# KiCad board squishy-main.kicad_pcb (continued)
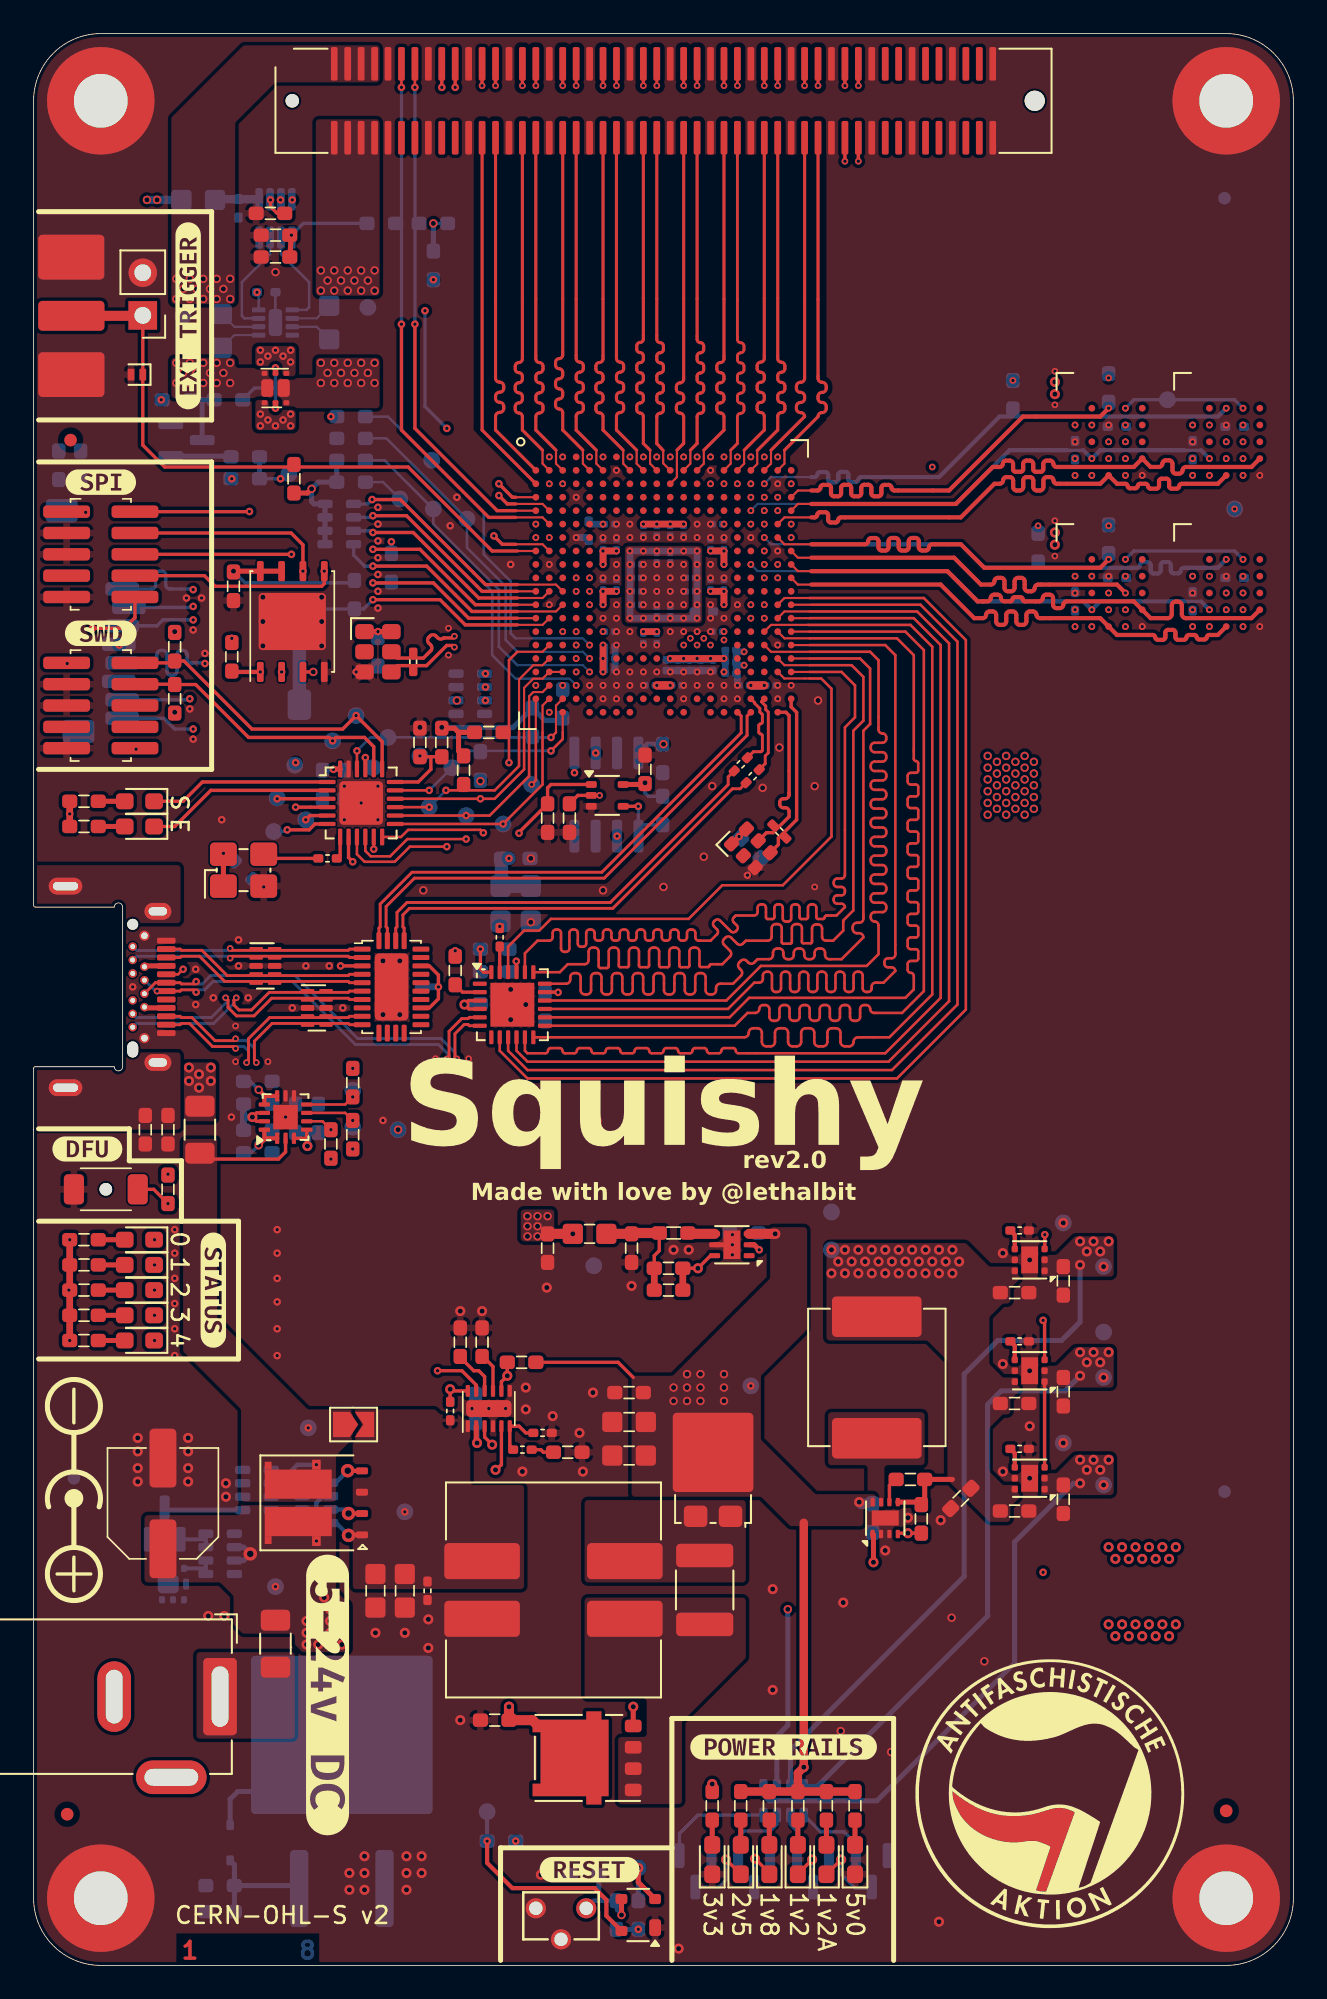
[diagram p0: board, top side]
## Library data of the parts (continued)
C38 = -: Datasheet: https://search.murata.co.jp/Ceramy/image/img/A01X/G101/ENG/GCM155R71H821KA37-01A.pdf; MFR: Murata Electronics; MPN: GCM155R71H821KA37D; Tolerance: ±10% 50V; SUPPLIER: DigiKey; SUPPLIER_OC: 490-GCM155R71H821KA37DDKR-ND; SUPPLIER_URL: https://www.digikey.com/short/95h5bp4f; 1b2-key: cap-cer-0402-820p-50v; ki_fp_filters: C_*
C49 C91 = -: Datasheet: https://www.yageo.com/upload/media/product/app/datasheet/mlcc/upy-gphc_x7r_6_3v-to-250v.pdf; MFR: YAGEO; MPN: CC0603KRX7R9BB301; Tolerance: ±10% 50V; SUPPLIER: DigiKey; SUPPLIER_OC: 13-CC0603KRX7R9BB301DKR-ND; SUPPLIER_URL: https://www.digikey.com/short/09vfhq3b; 1b2-key: cap-cer-0603-300p-50v; ki_fp_filters: C_*
C50 C52-C54 C57 C60 C65 C66 C72-C74 C79 C81 C83 C100 C102 C106 = -: Datasheet: https://search.murata.co.jp/Ceramy/image/img/A01X/G101/ENG/GRM033Z71C104ME14-01.pdf; MFR: Murata Electronics; MPN: GRM033Z71C104ME14D; Tolerance: ±10% 16V; SUPPLIER: DigiKey; SUPPLIER_OC: 490-GRM033Z71C104ME14DDKR-ND; SUPPLIER_URL: https://www.digikey.com/short/drfvd79q; 1b2-key: cap-cer-0201-100n-16v; ki_fp_filters: C_*
C51 C55 C58 C61 C67-C70 C82 C84 C108 C111 = -: Datasheet: https://www.yageo.com/upload/media/product/productsearch/datasheet/mlcc/UPY-AC_NP0X7RX7S_6.3V-to-2KV_19.pdf; MFR: Yageo; MPN: AC0201KRX7R8BB103; Tolerance: ±10% 25V; SUPPLIER: DigiKey; SUPPLIER_OC: 13-AC0201KRX7R8BB103DKR-ND; SUPPLIER_URL: https://www.digikey.com/short/4b93tdmb; 1b2-key: cap-cer-0201-10n-25v; ki_fp_filters: C_*
C56 C59 C62 C85 C109 C112 = -: Datasheet: https://www.murata.com/-/media/webrenewal/support/library/catalog/products/k35e.ashx?la=en-us&cvid=20200508021757000000; MFR: Murata Electronics; MPN: GCM033R71E102KA03D; Tolerance: ±10% 25V; SUPPLIER: DigiKey; SUPPLIER_OC: 490-7995-6-ND; SUPPLIER_URL: https://www.digikey.com/short/jj38r9nt; 1b2-key: cap-cer-0201-1n-25v; ki_fp_filters: C_*
C63 C75-C78 C103-C105 = -: Datasheet: https://search.murata.co.jp/Ceramy/image/img/A01X/G101/ENG/GRM033R61C105ME15-01A.pdf; MFR: Murata Electronics; MPN: GRM033R61C105ME15D; Tolerance: ±20% 16V; SUPPLIER: DigiKey; SUPPLIER_OC: 490-18654-6-ND; SUPPLIER_URL: https://www.digikey.com/short/8nqwhfth; 1b2-key: cap-cer-0201-1u-16v; ki_fp_filters: C_*
C64 C71 = -: Datasheet: https://search.murata.co.jp/Ceramy/image/img/A01X/G101/ENG/GRM155R61A475MEAA-01A.pdf; MFR: Murata Electronics; MPN: GRM155R61A475MEAAJ; Tolerance: ±20% 10V; SUPPLIER: DigiKey; SUPPLIER_OC: 490-GRM155R61A475MEAAJDKR-ND; SUPPLIER_URL: https://www.digikey.com/short/55djtqz8; 1b2-key: cap-cer-0402-4u7-10v; ki_fp_filters: C_*
C90 = -: Datasheet: https://content.kemet.com/datasheets/KEM_C1002_X7R_SMD.pdf; MFR: KEMET; MPN: C0603C220J5RAC7867; Tolerance: ±5% 50V; SUPPLIER: DigiKey; SUPPLIER_OC: 399-17583-6-ND; SUPPLIER_URL: https://www.digikey.com/short/05tw8nzb; 1b2-key: cap-cer-0603-22p-50v; ki_fp_filters: C_*
C94 = -: Datasheet: https://connect.kemet.com:7667/gateway/IntelliData-ComponentDocumentation/1.0/download/datasheet/A768EB476M1VLAS042; Description: Polarized capacitor, small symbol; MFR: KEMET; MPN: A768EB476M1VLAS042; Tolerance: ±20% 35V  125°C; SUPPLIER: DigiKey; SUPPLIER_OC: 399-A768EB476M1VLAS042DKR-ND; SUPPLIER_URL: https://www.digikey.com/short/jcnvh285; 1b2-key: cap-elc-eb-47u-35v; ki_fp_filters: CP_*
C101 = -: Datasheet: https://search.murata.co.jp/Ceramy/image/img/A01X/G101/ENG/GRM188R61A226ME15-01.pdf; MFR: Murata Electronics; MPN: GRM188R61A226ME15D; Tolerance: ±20% 10V; SUPPLIER: DigiKey; SUPPLIER_OC: 490-10476-6-ND; SUPPLIER_URL: https://www.digikey.com/short/tvmht5nm; 1b2-key: cap-cer-0603-22u-10v; ki_fp_filters: C_*
D1 = -: Datasheet: https://www.vishay.com/docs/89043/ss10p6.pdf; MFR: Vishay General Semiconductor - Diodes Division; SUPPLIER: DigiKey; SUPPLIER_OC: SS10P6-M3/86AGICT-ND; SUPPLIER_URL: https://www.digikey.com/short/4450q99v; 1b2-key: dio-schottky-to277a-2-ss10p6-m3/86a; ki_fp_filters: TO-???* *_Diode_* *SingleDiode* D_*
D2 D6 = -: Datasheet: https://www.we-online.com/components/products/datasheet/150060BS75000.pdf; MFR: Wurth Electronics; MPN: 150060BS75000; SUPPLIER: DigiKey; SUPPLIER_OC: 732-4966-6-ND; SUPPLIER_URL: https://www.digikey.com/short/ddpjpwr7; 1b2-key: led-0603-blu; ki_fp_filters: LED* LED_SMD:* LED_THT:*
D3 D5 = -: Datasheet: https://www.tme.eu/Document/64e15c1a036957b6f84022f15b00ad5b/OSXX0603C1E.pdf; MFR: Optosupply; MPN: OSK40603C1E; SUPPLIER: TME; SUPPLIER_OC: OSK40603C1E; SUPPLIER_URL: https://www.tme.com/ux/en-us/details/osk40603c1e/smd-colour-leds/optosupply/; 1b2-key: led-0603-pnk; ki_fp_filters: LED* LED_SMD:* LED_THT:*
D4 = -: Datasheet: https://fscdn.rohm.com/en/products/databook/datasheet/opto/led/chip_mono/smlen3wbc8w1-e.pdf; MFR: ROHM Semiconductor; MPN: SMLEN3WBC8W1; SUPPLIER: DigiKey; SUPPLIER_OC: SMLEN3WBC8W1DKR-ND; SUPPLIER_URL: https://www.digikey.com/short/c3th3r99; 1b2-key: led-0603-wht; ki_fp_filters: LED* LED_SMD:* LED_THT:*
D7-D12 D16 = -: Datasheet: https://www.we-online.com/components/products/datasheet/150060VS75000.pdf; MFR: Würth Elektronik; MPN: 150060VS75000; SUPPLIER: DigiKey; SUPPLIER_OC: 732-4980-6-ND; SUPPLIER_URL: https://www.digikey.com/short/h8jf77w9; 1b2-key: led-0603-grn; ki_fp_filters: LED* LED_SMD:* LED_THT:*
D13 = -: Datasheet: https://www.onsemi.com/pdf/datasheet/mm3z2v4st1-d.pdf; MFR: onsemi; MPN: MM3Z24VST1G; SUPPLIER: DigiKey; SUPPLIER_OC: MM3Z24VST1GOSDKR-ND; SUPPLIER_URL: https://www.digikey.com/short/vc98q111; 1b2-key: dio-zener-sod323-mm3z24vst1g; ki_fp_filters: TO-???* *_Diode_* *SingleDiode* D_*
D14 = -: Datasheet: https://www.st.com/content/ccc/resource/technical/document/datasheet/da/68/0c/ea/67/ba/48/87/DM00022970.pdf/files/DM00022970.pdf/jcr:content/translations/en.DM00022970.pdf; MFR: STMicroelectronics; MPN: TN1205H-6G-TR; SUPPLIER: DigiKey; SUPPLIER_OC: 497-11319-6-ND; SUPPLIER_URL: https://www.digikey.com/short/pbztd9ff; 1b2-key: dio-scr-to263-2-tn1205h
D15 = -: Datasheet: https://www.we-online.com/components/products/datasheet/150060RS75000.pdf; MFR: Würth Elektronik; MPN: 150060RS75000; SUPPLIER: DigiKey; SUPPLIER_OC: 732-4978-6-ND; SUPPLIER_URL: https://www.digikey.com/short/whr1znbf; 1b2-key: led-0603-red; ki_fp_filters: LED* LED_SMD:* LED_THT:*
D17 = -: Datasheet: https://mm.digikey.com/Volume0/opasdata/d220001/medias/docus/488/SP3205_Series_DS.pdf; Description: Bidirectional transient-voltage-suppression diode, small symbol; MFR: Littlefuse Inc.; MPN: SP3205-01ETG; Tolerance: Vbr = 3.6V; SUPPLIER: DigiKey; SUPPLIER_OC: 18-SP3205-01ETGCT-ND; SUPPLIER_URL: https://www.digikey.com/short/dbc27874; 1b2-key: dio-tvs-sod882-sp3205-01etg; ki_fp_filters: TO-???* *_Diode_* *SingleDiode* D_*
F1 F2 = -: Datasheet: https://www.belfuse.com/resources/datasheets/circuitprotection/ds-cp-c1f-series.pdf; MFR: Bel Fuse Inc.; MPN: C1F 7; Tolerance: 63VDC; SUPPLIER: DigiKey; SUPPLIER_OC: 507-1888-6-ND; SUPPLIER_URL: https://www.digikey.com/short/h5whm885; 1b2-key: fuse-1206-7a; ki_fp_filters: *polyfuse* *PTC*
FB2 FB3 = -: Datasheet: https://www.we-online.com/components/products/datasheet/78279220601.pdf; MFR: Würth Elektronik; MPN: 78279220601; SUPPLIER: DigiKey; SUPPLIER_OC: 732-78279220601DKR-ND; SUPPLIER_URL: https://www.digikey.com/short/4bqj3fwq; 1b2-key: ferrite-0805-600; ki_fp_filters: Inductor_* L_* *Ferrite*
FID1-FID6 = -: MFR: N/A; MPN: N/A; ki_fp_filters: Fiducial*
G1 = -: MFR: N/A; MPN: N/A
H1-H4 = -: MFR: N/A; MPN: N/A; ki_fp_filters: MountingHole*Pad*
J1 = -: Description: Generic connector, single row, 01x02, script generated (kicad-library-utils/schlib/autogen/connector/); ki_fp_filters: Connector*:*_1x??_*
J2 = -: Datasheet: https://www.molex.com/en-us/products/part-detail/732512120?display=pdf; MFR: Molex; MPN: 0732512120; SUPPLIER_OC: WM5536-ND; SUPPLIER_URL: https://www.digikey.com/short/ch5zfdz7; ki_fp_filters: *BNC* *SMA* *SMB* *SMC* *Cinch* *LEMO* *UMRF* *MCX* *U.FL*
J3 = -: Datasheet: https://www.usb.org/sites/default/files/documents/usb_type-c.zip; MFR: Jing ext of Electronic Co.; MPN: 918-418K2022C40000; SUPPLIER: LCSC; SUPPLIER_OC: C168700; SUPPLIER_URL: https://www.lcsc.com/product-detail/USB-Connectors_Jing-Extension-of-the-Electronic-Co-918-418K2022C40000_C168700.html; 1b2-key: conn-smd-usb-c-3.1; ki_fp_filters: USB*C*Receptacle*
J4 J8 = -: Datasheet: https://suddendocs.samtec.com/prints/ftsh-1xx-xx-xxx-dv-xxx-xxx-x-xx-mkt.pdf; MFR: Samtec; MPN: FTSH-105-01-L-DV-K-P-TR; SUPPLIER_OC: 612-FTSH-105-01-L-DV-K-P-TRDKR-ND; SUPPLIER_URL: https://www.digikey.com/short/mw4tvzw7; 1b2-key: conn-smd-005in-5-2-hdr-et; ki_fp_filters: Connector*:*_2x??_*
J5 = -: Datasheet: https://www.cliffuk.co.uk/products/dcconnectors/FC68148.pdf; MFR: CLIFF Electronic Components Ltd; MPN: FC68149; SUPPLIER: DigiKey; SUPPLIER_OC: 4654-FC68149-ND; SUPPLIER_URL: https://www.digikey.com/short/mwvtrr07; 1b2-key: conn-th-dcj200-fc68149; ki_fp_filters: BarrelJack*
J6 = -: Datasheet: https://gct.co/files/drawings/mem2061.pdf; MFR: GCT; SUPPLIER: DigiKey; SUPPLIER_OC: 2073-MEM2061-01-188-00-ADKR-ND; SUPPLIER_URL: https://www.digikey.com/short/pnmr2wrw; 1b2-key: conn-smd-sdcard-mem2061-01-188-00-a; ki_fp_filters: microSD*
J7 = -: Datasheet: https://cdn.amphenol-cs.com/media/wysiwyg/files/documentation/datasheet/boardwiretoboard/bwb_bergstik_lite_0_80mm.pdf; MFR: Amphenol ICC (FCI); MPN: 10144518-101802LF; SUPPLIER: DigiKey; SUPPLIER_OC: 609-5457-1-ND; SUPPLIER_URL: https://www.digikey.com/short/rh8jztt0; 1b2-key: conn-smd-08mm-2-50-mezz; ki_fp_filters: Connector*:*_2x??_*
JP1 = -: ki_fp_filters: SolderJumper*Open*
L1 = -: Datasheet: https://www.bourns.com/docs/Product-Datasheets/SRF1260.pdf; MFR: Bourns Inc.; MPN: SRF1260-1R5Y; SUPPLIER: DigiKey; SUPPLIER_OC: SRF1260-1R5YDKR-ND; SUPPLIER_URL: https://www.digikey.com/short/dhv05pj4; 1b2-key: ind-srf1260-1u5; ki_fp_filters: Choke_* *Coil* Inductor_* L_*
L2 = -: Datasheet: https://abracon.com/datasheets/AOTA-B160808S.pdf; MFR: Abracon LLC; MPN: AOTA-B160808S2R2MT; SUPPLIER: DigiKey; SUPPLIER_OC: 535-AOTA-B160808S2R2MTDKR-ND; SUPPLIER_URL: https://www.digikey.com/short/tnvznwrp; 1b2-key: ind-0603-2u2; ki_fp_filters: Choke_* *Coil* Inductor_* L_*
L3 = -: Datasheet: https://www.vishay.com/docs/34313/ihlp3232dz11.pdf; MFR: Vishay Dale; MPN: IHLP3232DZER1R0M11; SUPPLIER: DigiKey; SUPPLIER_OC: 541-1348-6-ND; SUPPLIER_URL: https://www.digikey.com/short/n53j9fdw; 1b2-key: ind-ihlp-3232-1u; ki_fp_filters: Choke_* *Coil* Inductor_* L_*
Q1 = -: Datasheet: https://www.onsemi.com/pdf/datasheet/ntmfs5c442n-d.pdf; MFR: onsemi; SUPPLIER: DigiKey; SUPPLIER_OC: NTMFS5C442NT1GOSDKR-ND; SUPPLIER_URL: https://www.digikey.com/short/bp3m0j0d; 1b2-key: nfet-so8fl-ntmfs5c442nt1g
Q2-Q5 = -: Datasheet: https://assets.nexperia.com/documents/data-sheet/NX6008NBK.pdf; MFR: Nexperia USA Inc.; SUPPLIER: DigiKey; SUPPLIER_OC: 1727-NX6008NBKRDKR-ND; SUPPLIER_URL: https://www.digikey.com/short/mr1bfdt4; 1b2-key: nfet-sot23-nx6008nbkr
Q6 = -: Datasheet: https://assets.nexperia.com/documents/data-sheet/PMPB20EN.pdf; MFR: Nexperia USA Inc.; MPN: PMPB20EN,115; SUPPLIER: DigiKey; SUPPLIER_OC: 1727-PMPB20EN,115DKR-ND; SUPPLIER_URL: https://www.digikey.com/short/p2jcz71p; 1b2-key: nfet-sot1220-2-pmpb20en,115
Q7 = -: Datasheet: https://assets.nexperia.com/documents/data-sheet/PMDPB58UPE.pdf; MFR: Nexperia USA Inc.; SUPPLIER: DigiKey; SUPPLIER_OC: 1727-1237-6-ND; SUPPLIER_URL: https://www.digikey.com/short/h3bf51b3; 1b2-key: pfet-dual-sot1118-3-pmdpb58upe,115; ki_fp_filters: TSOP* SC?70* SC?88* SOT?363*
Q8 Q9 = -: Datasheet: https://www.diodes.com/assets/Datasheets/DMN65D8L.pdf; MFR: Diodes Incorporated; SUPPLIER: DigiKey; SUPPLIER_OC: DMN65D8L-7DIDKR-ND; SUPPLIER_URL: https://www.digikey.com/short/2ttj58b0; 1b2-key: nfet-sot23-dmn65d8l-7
Q10 = -: Datasheet: https://www.vishay.com/docs/63658/sqj951ep.pdf; MFR: Vishay Siliconix; MPN: SQJ951EP-T1_BE3; SUPPLIER: DigiKey; SUPPLIER_OC: 742-SQJ951EP-T1_BE3DKR-ND; SUPPLIER_URL: https://www.digikey.com/short/jjp28qvf; 1b2-key: pfet-dual-powerpak-so8l-sqj951ep-t1_be3; ki_fp_filters: TSOP* SC?70* SC?88* SOT?363*
R1 R21 R23 R27 R42 = -: Datasheet: https://www.vishay.com/docs/20035/dcrcwe3.pdf; MFR: Vishay Dale; MPN: CRCW06031K00FKEA; Tolerance: ±1% 1/10W; SUPPLIER: DigiKey; SUPPLIER_OC: 541-1.00KHDKR-ND; SUPPLIER_URL: https://www.digikey.com/short/dw9cq7z3; 1b2-key: res-0603-1k; ki_fp_filters: R_*
R2 = -: Datasheet: https://www.vishay.com/docs/28773/crcwce3.pdf; MFR: Vishay Dale; MPN: CRCW040280K6FKEDC; Tolerance: ±1% 1/16W; SUPPLIER: DigiKey; SUPPLIER_OC: 541-5091-6-ND; SUPPLIER_URL: https://www.digikey.com/short/38bn4npb; 1b2-key: res-0402-80k6; ki_fp_filters: R_*
R3 = -: Datasheet: https://www.vishay.com/docs/28773/crcwce3.pdf; MFR: Vishay Dale; MPN: CRCW040240K2FKEDC; Tolerance: ±1% 1/16W; SUPPLIER: DigiKey; SUPPLIER_OC: 541-4097-6-ND; SUPPLIER_URL: https://www.digikey.com/short/3dp8b97f; 1b2-key: res-0402-40k2; ki_fp_filters: R_*
R4 R9 R12 R17 R28 R32 R36 R40 R51 R54 R59-R65 R67-R70 = -: Datasheet: https://www.vishay.com/docs/20035/dcrcwe3.pdf; MFR: Vishay Dale; MPN: CRCW060310K0FKEA; Tolerance: ±1% 1/10W; SUPPLIER: DigiKey; SUPPLIER_OC: 541-10.0KHDKR-ND; SUPPLIER_URL: https://www.digikey.com/short/478v2810; 1b2-key: res-0603-10k; ki_fp_filters: R_*
R5 R6 R22 R37-R39 R44 R45 R49 R58 R71-R77 = -: Datasheet: https://www.vishay.com/docs/20035/dcrcwe3.pdf; MFR: Vishay Dale; MPN: CRCW06034K70FKEA; Tolerance: ±1% 1/10W; SUPPLIER: DigiKey; SUPPLIER_OC: 541-4.70KHDKR-ND; SUPPLIER_URL: https://www.digikey.com/short/f3fq37nd; 1b2-key: res-0603-4k7; ki_fp_filters: R_*
R7 R24-R26 R31 R34 R78-R80 = -: Datasheet: https://www.vishay.com/docs/20035/dcrcwe3.pdf; MFR: Vishay Dale; MPN: CRCW06032K20FKEA; Tolerance: ±1% 1/10W; SUPPLIER: DigiKey; SUPPLIER_OC: 541-2.20KHDKR-ND; SUPPLIER_URL: https://www.digikey.com/short/bnh9rvr0; 1b2-key: res-0603-2k2; ki_fp_filters: R_*
R8 R41 = -: Datasheet: https://www.vishay.com/docs/20035/dcrcwe3.pdf; MFR: Vishay Dale; MPN: CRCW06031M00FKEA; Tolerance: ±1% 1/10W; SUPPLIER: DigiKey; SUPPLIER_OC: 541-1.00MHDKR-ND; SUPPLIER_URL: https://www.digikey.com/short/18qqp0zw; 1b2-key: res-0603-1M; ki_fp_filters: R_*
R10 = -: Datasheet: https://www.vishay.com/docs/28773/crcwce3.pdf; MFR: Vishay Dale; MPN: CRCW06038K06FKEAC; Tolerance: ±1% 1/10W; SUPPLIER: DigiKey; SUPPLIER_OC: 541-5582-6-ND; SUPPLIER_URL: https://www.digikey.com/short/0rb579j0; 1b2-key: res-0603-8k06; ki_fp_filters: R_*
R11 R13 = -: Datasheet: https://www.vishay.com/docs/20035/dcrcwe3.pdf; MFR: Vishay Dale; MPN: CRCW0402100RFKED; Tolerance: ±1%  1/16W; SUPPLIER: DigiKey; SUPPLIER_OC: 541-100LDKR-ND; SUPPLIER_URL: https://www.digikey.com/short/v1307zwt; 1b2-key: res-0402-100; ki_fp_filters: R_*
R14 R35 R46 R48 R50 R66 = -: Datasheet: https://www.bourns.com/docs/Product-Datasheets/CATCAY.pdf; MFR: Bourns Inc.; MPN: CAY16-103J4LF; Tolerance: ±5%  1/16W; SUPPLIER: DigiKey; SUPPLIER_OC: CAY16-103J4LFDKR-ND; SUPPLIER_URL: https://www.digikey.com/short/91vhpmq2; 1b2-key: res-0603cc-array-4-10k; ki_fp_filters: Resistor_* R_*
R15 = -: Datasheet: https://www.vishay.com/docs/20035/dcrcwe3.pdf; MFR: Vishay Dale; MPN: CRCW06035K36FKEA; Tolerance: ±1% 1/10W; SUPPLIER: DigiKey; SUPPLIER_OC: 541-5.36KHDKR-ND; SUPPLIER_URL: https://www.digikey.com/short/7m28vqhp; 1b2-key: res-0603-5k36; ki_fp_filters: R_*
R16 = -: Datasheet: https://www.bourns.com/docs/product-datasheets/cfn.pdf; MFR: Bourns; MPN: CFN0603-FX-R010ELF; Tolerance: ±1% 1/2W; SUPPLIER: DigiKey; SUPPLIER_OC: 118-CFN0603-FX-R010ELFDKR-ND; SUPPLIER_URL: https://www.digikey.com/short/4n42tn2t; 1b2-key: res-0603-10m; ki_fp_filters: R_*
R18 = -: Datasheet: https://www.yageo.com/upload/media/product/app/datasheet/rchip/pyu-rt_1-to-0.01_rohs_l.pdf; MFR: YAGEO; MPN: RT0603BRD0740KL; Tolerance: ±1% 1/10W; SUPPLIER: DigiKey; SUPPLIER_OC: 13-RT0603BRD0740KLDKR-ND; SUPPLIER_URL: https://www.digikey.com/short/h5hc74hj; 1b2-key: res-0603-40k; ki_fp_filters: R_*
R19 R20 = -: Datasheet: https://www.vishay.com/docs/20035/dcrcwe3.pdf; MFR: Vishay Dale; MPN: CRCW0603100KFKEA; Tolerance: ±1% 1/10W; SUPPLIER: DigiKey; SUPPLIER_OC: 541-100KHDKR-ND; SUPPLIER_URL: https://www.digikey.com/short/5n1ztv42; 1b2-key: res-0603-100k; ki_fp_filters: R_*
R29 R30 = -: Datasheet: https://www.vishay.com/docs/20035/dcrcwe3.pdf; MFR: Vishay Dale; MPN: CRCW04020000Z0ED; Tolerance: 1/4W; SUPPLIER: DigiKey; SUPPLIER_OC: 541-0.0JDKR-ND; SUPPLIER_URL: https://www.digikey.com/short/qmj7b2hp; 1b2-key: res-0402-0; ki_fp_filters: R_*
R33 = -: Datasheet: https://www.vishay.com/docs/20035/dcrcwe3.pdf; MFR: Vishay Dale; MPN: CRCW0603300KFKEA; Tolerance: ±1% 1/10W; SUPPLIER: DigiKey; SUPPLIER_OC: 541-300KHDKR-ND; SUPPLIER_URL: https://www.digikey.com/short/vhwb22v9; 1b2-key: res-0603-300k; ki_fp_filters: R_*
R43 = -: Datasheet: https://www.vishay.com/docs/20035/dcrcwe3.pdf; MFR: Vishay Dale; MPN: CRCW0603150KFKEA; Tolerance: ±1% 1/10W; SUPPLIER: DigiKey; SUPPLIER_OC: 541-150KHDKR-ND; SUPPLIER_URL: https://www.digikey.com/short/92h8nv35; 1b2-key: res-0603-150k; ki_fp_filters: R_*
R47 = -: Datasheet: https://www.vishay.com/docs/20035/dcrcwe3.pdf; MFR: Vishay Dale; MPN: CRCW060352R3FKEA; Tolerance: ±1% 1/10W; SUPPLIER: DigiKey; SUPPLIER_OC: 541-52.3HDKR-ND; SUPPLIER_URL: https://www.digikey.com/short/099qpz0w; 1b2-key: res-0603-52r3; ki_fp_filters: R_*
R52 R53 = -: Datasheet: https://www.vishay.com/docs/30122/wslp.pdf; MFR: Vishay Dale; MPN: WSLP0805R0500FEA; Tolerance: ±1% 1/2W; SUPPLIER: DigiKey; SUPPLIER_OC: 541-10040-6-ND; SUPPLIER_URL: https://www.digikey.com/short/mtq2n4qv; 1b2-key: res-0805-50m; ki_fp_filters: R_*
R55 = -: Datasheet: https://www.vishay.com/docs/28773/crcwce3.pdf; MFR: Vishay Dale; MPN: CRCW0603249KFKEAC; Tolerance: ±1% 1/10W; SUPPLIER: DigiKey; SUPPLIER_OC: 541-5283-6-ND; SUPPLIER_URL: https://www.digikey.com/short/8fvqvwd5; 1b2-key: res-0603-249k; ki_fp_filters: R_*
R56 = -: Datasheet: https://www.vishay.com/docs/20035/dcrcwe3.pdf; MFR: Vishay Dale; MPN: CRCW060339K2FKEA; Tolerance: ±1% 1/10W; SUPPLIER: DigiKey; SUPPLIER_OC: 541-39.2KHDKR-ND; SUPPLIER_URL: https://www.digikey.com/short/fv7c84qr; 1b2-key: res-0603-39k2; ki_fp_filters: R_*
R57 = -: Datasheet: https://www.vishay.com/docs/28773/crcwce3.pdf; MFR: Vishay Dale; MPN: CRCW0603178KFKEAC; Tolerance: ±1% 1/10W; SUPPLIER: DigiKey; SUPPLIER_OC: 541-5199-6-ND; SUPPLIER_URL: https://www.digikey.com/short/20p55d9t; 1b2-key: res-0603-178k; ki_fp_filters: R_*
SW1 = -: Datasheet: https://www.lcsc.com/datasheet/lcsc_datasheet_2110151730_XKB-Connection-TC-1109DE-C-D_C400333.pdf; MFR: XKB Connectivity; MPN: TC-1109DE-C-F; SUPPLIER: LCSC; SUPPLIER_OC: C400334; SUPPLIER_URL: https://www.lcsc.com/product-detail/Tactile-Switches_XKB-Connection-TC-1109DE-C-F_C400334.html; 1b2-key: sw-tact-side-tc-1109de-c-f
SW2 = -: Datasheet: https://omronfs.omron.com/en_US/ecb/products/pdf/en-b3u.pdf; MFR: Omron Electronics Inc-EMC Div; MPN: B3U-1000P-B; SUPPLIER: DigiKey; SUPPLIER_OC: SW1143DKR-ND; SUPPLIER_URL: https://www.digikey.com/short/vvt30n4j; 1b2-key: sw-tact-top-30-25
TP1-TP24 TP26-TP35 TP40-TP47 = -: MFR: N/A; MPN: N/A; ki_fp_filters: Pin* Test*
U1 = -: Datasheet: https://www.latticesemi.com/view_document?document_id=50461; MFR: Lattice; SUPPLIER: DigiKey; SUPPLIER_OC: 220-2107-ND; SUPPLIER_URL: https://www.digikey.com/short/f34t0pr0; 1b2-key: ic-fpga-lef5um5g-45f-8bg381
U2 U3 U14 U15 = -: Datasheet: https://www.infineon.com/dgdl/Infineon-S80KS5122_1.8_V_512-Mbit_HyperBus_Interface_HyperRAM_(Self-Refresh_DRAM)-DataSheet-v01_00-EN.pdf?fileId=8ac78c8c7dc4255f017dd81b77c1088f; MFR: Infineon Technologies; MPN: S80KS5122GABHI020; SUPPLIER: DigiKey; SUPPLIER_OC: 448-S80KS5122GABHI020-ND; SUPPLIER_URL: https://www.digikey.com/short/rwv27n90; 1b2-key: ic-s80ks5122gabhi020
U4 = -: Datasheet: https://www.diodes.com/assets/Datasheets/APX811_812.pdf; MFR: Diodes Incorporated; SUPPLIER: DigiKey; SUPPLIER_OC: APX811-40UG-7DKR-ND; SUPPLIER_URL: https://www.digikey.com/short/j8pcwd9w; 1b2-key: ic-apx811-40ug-7
U5 = -: Datasheet: https://www.ti.com/lit/ds/symlink/hd3ss460.pdf; MFR: Texas Instruments; OC_TI: HD3SS460RHRT; URL_TI: https://www.ti.com/product/HD3SS460; SUPPLIER: DigiKey; SUPPLIER_OC: 296-47325-6-ND; SUPPLIER_URL: https://www.digikey.com/short/34900nt7; 1b2-key: ic-hd3ss460rhrr
U6 U8 = -: Datasheet: http://www.ti.com/lit/ds/symlink/tpd4e02b04.pdf; MFR: Texas Instruments; SUPPLIER: DigiKey; SUPPLIER_OC: 296-43875-6-ND; SUPPLIER_URL: https://www.digikey.com/short/b5bnrq7b; 1b2-key: dio-esd-uson10-tpd4e02b04dqa; ki_fp_filters: USON*2.5x1.0mm*P0.5mm*
U7 = -: Datasheet: https://www.littelfuse.com/~/media/electronics/datasheets/tvs_diode_arrays/littelfuse_tvs_diode_array_sp3400_datasheet.pdf; MFR: Littlefuse; SUPPLIER: DigiKey; SUPPLIER_OC: SP3400-02UTGDKR-ND; SUPPLIER_URL: https://www.digikey.com/short/bdh03q4d; 1b2-key: dio-esd-udfn6l-sp3400-02utg
U9 = -: Datasheet: https://ww1.microchip.com/downloads/en/DeviceDoc/3318.pdf; MFR: Microchip Technology; MPN: USB3318-CP-TR; SUPPLIER: DigiKey; SUPPLIER_OC: 638-1064-6-ND; SUPPLIER_URL: https://www.digikey.com/short/mrz3h08t; 1b2-key: ic-usb3318-cp-tr
U10 = -: Datasheet: https://www.onsemi.com/pdf/datasheet/fusb302b-d.pdf; MFR: onsemi; SUPPLIER: DigiKey; SUPPLIER_OC: FUSB302BMPXDKR-ND; SUPPLIER_URL: https://www.digikey.com/short/0f384m22; 1b2-key: ic-fusb302bmpx
U11 = -: Datasheet: http://ww1.microchip.com/downloads/en/DeviceDoc/Atmel-42414-SAM-D09_Datasheet.pdf; MFR: Microchip; MPN: ATSAMD09D14A-MUT; SUPPLIER: DigiKey; SUPPLIER_OC: ATSAMD09D14A-MUTDKR-ND; SUPPLIER_URL: https://www.digikey.com/short/7423wbjd; 1b2-key: ic-mcu-atsamd09d14a-mut; ki_fp_filters: QFN*1EP*4x4mm*P0.5mm*
U12 = -: Datasheet: https://www.gigadevice.com.cn/Public/Uploads/uploadfile/files/20220714/DS-00484-GD25Q64E-Rev1.4.pdf; MFR: GigaDevice; SUPPLIER: DigiKey; SUPPLIER_OC: 1970-GD25Q64EWIGRDKR-ND; SUPPLIER_URL: https://www.digikey.com/short/j44d557m; 1b2-key: ic-gd25q64ewigr
U13 = -: Datasheet: https://www.ti.com/lit/ds/symlink/lm5155.pdf; MFR: Texas Instruments; SUPPLIER: DigiKey; SUPPLIER_OC: 296-LM51551DSSRDKR-ND; SUPPLIER_URL: https://www.digikey.com/short/jfv3pf8j; 1b2-key: ic-wson12-lm51551dssr
U16 U20 = -: Datasheet: https://www.ti.com/lit/ds/symlink/tps7a11.pdf; MFR: Texas Instruments; SUPPLIER: DigiKey; SUPPLIER_OC: 296-50835-6-ND; SUPPLIER_URL: https://www.digikey.com/short/mjv7r0h3; 1b2-key: ic-wson6-tps7a1112pdrvt
U17 = -: Datasheet: https://www.ti.com/lit/ds/symlink/tps7a11.pdf; MFR: Texas Instruments; SUPPLIER: DigiKey; SUPPLIER_OC: 296-50838-6-ND; SUPPLIER_URL: https://www.digikey.com/short/05z0qvc3; 1b2-key: ic-wson6-tps7a1125pdrvt
U18 = -: Datasheet: https://www.issi.com/WW/pdf/66-67WVS2M8ALL-BLL.pdf; Description: 32Mb SerialRAM; MFR: Integrated Silicon Solution Inc; MPN: IS66WVS4M8BLL-104NLI; SUPPLIER: DigiKey; SUPPLIER_OC: 706-IS66WVS4M8BLL-104NLI-ND; SUPPLIER_URL: https://www.digikey.com/short/29w7cnhb; 1b2-key: ic-is66wvs4m8bll
U19 = -: Datasheet: https://www.ti.com/lit/ds/symlink/ina2180.pdf; MFR: Texas Instruments; MPN: INA2180A1IDSGR; SUPPLIER: DigiKey; SUPPLIER_OC: 296-INA2180A1IDSGRDKR-ND; SUPPLIER_URL: https://www.digikey.com/short/8077pm24; 1b2-key: ic-wson8-ina2180a1
U21 = -: Datasheet: https://www.diodes.com/assets/Datasheets/AP3428_A.pdf; Description: 1.5MHZ, 1A STEP-DOWN DC-DC BUCK CONVERTER; MFR: Diodes Incorporated; MPN: AP3428DNTR-G1; SUPPLIER: DigiKey; SUPPLIER_OC: AP3428DNTR-G1; SUPPLIER_URL: https://www.digikey.com/short/p988w10m; 1b2-key: ic-dfn6-ap3428/a
U22 = -: Datasheet: https://www.analog.com/media/en/technical-documentation/data-sheets/MAX1117-MAX1119.pdf; MFR: Analog Devices Inc./Maxim Integrated; MPN: MAX1118EKA+T; SUPPLIER: DigiKey; SUPPLIER_OC: MAX1118EKA+TDKR-ND; SUPPLIER_URL: https://www.digikey.com/short/54vrz9n8; 1b2-key: ic-sot23-8-max1118
U23 = -: Datasheet: http://www.ti.com/lit/ds/symlink/tlv62080.pdf; MFR: Texas Instruments; SUPPLIER: DigiKey; SUPPLIER_OC: 296-TLV62084ADSGRDKR-ND; SUPPLIER_URL: https://www.digikey.com/short/b10p249p; 1b2-key: ic-wson8-tlv62084adsgr; ki_fp_filters: *WSON?8?1EP*2x2mm*P0.5mm*
U24 = -: Datasheet: https://assets.nexperia.com/documents/data-sheet/74HC_HCT1G02.pdf; Description: Single NOR Gate, Low-Voltage CMOS; MFR: Nexperia USA Inc.; MPN: 74HC1G02GW,125; SUPPLIER: DigiKey; SUPPLIER_OC: 1727-3258-6-ND; SUPPLIER_URL: https://www.digikey.com/short/pb7573pr; 1b2-key: ic-sot353-74ahc1g02; ki_fp_filters: SOT* SG-*
X1 = -: Datasheet: https://abracon.com/datasheets/AK3A.pdf; MFR: Abracon LLC; MPN: AK3ADDF1-100.000T3; SUPPLIER: DigiKey; SUPPLIER_OC: 535-AK3ADDF1-100.000T3DKR-ND; SUPPLIER_URL: https://www.digikey.com/short/5r299tzp; 1b2-key: xtal-aka3a-100mhz; ki_fp_filters: Oscillator*SMD*Abracon*ASE*3.2x2.5mm*
X2 = -: Datasheet: https://www.txccrystal.com/images/pdf/8w-tight.pdf; MFR: TXC CORPORATION; MPN: 8W-13.000MBE-T; SUPPLIER: DigiKey; SUPPLIER_OC: 887-2539-6-ND; SUPPLIER_URL: https://www.digikey.com/short/d4f409rt; 1b2-key: xtal-8w-13mhz; ki_fp_filters: Oscillator*SMD*Abracon*ASE*3.2x2.5mm*
X3 = -: Datasheet: https://abracon.com/datasheets/AK2.pdf; MFR: Abracon LLC; MPN: AK2DAF1-200.0000; SUPPLIER: DigiKey; SUPPLIER_OC: 535-AK2DAF1-200.0000-ND; SUPPLIER_URL: https://www.digikey.com/short/87hbtqtr; 1b2-key: xtal-ak2a-200mhz; ki_fp_filters: Oscillator*SMD*Abracon*ASE*3.2x2.5mm*
X4 = -: Datasheet: https://abracon.com/Oscillators/ASEseries.pdf; MFR: Abracon; MPN: ASE-32.000MHZ-L-C-T; SUPPLIER: DigiKey; SUPPLIER_OC: 535-ASE-32.000MHZ-L-C-TCT-ND; SUPPLIER_URL: https://www.digikey.com/short/pmhjnqwd; 1b2-key: xtal-ase-32mhz; ki_fp_filters: Oscillator*SMD*Abracon*ASE*3.2x2.5mm*

## Footprints (pads in the part's own frame, mm; a bottom-side part is the same pattern mirrored in y, then rotated)
318caBGA
  round 0.4 smd: A2(-6.8,7.6) A3(-6,7.6) A4(-5.2,7.6) A5(-4.4,7.6) A6(-3.6,7.6) A7(-2.8,7.6) A8(-2,7.6) A9(-1.2,7.6) A10(-0.4,7.6) A11(0.4,7.6) A12(1.2,7.6) A13(2,7.6) A14(2.8,7.6) A15(3.6,7.6) A16(4.4,7.6) A17(5.2,7.6) A18(6,7.6) A19(6.8,7.6) B1(-7.6,6.8) B2(-6.8,6.8) B3(-6,6.8) B4(-5.2,6.8) B5(-4.4,6.8) B6(-3.6,6.8) B7(-2.8,6.8) B8(-2,6.8) B9(-1.2,6.8) B10(-0.4,6.8) B11(0.4,6.8) B12(1.2,6.8) B13(2,6.8) B14(2.8,6.8) B15(3.6,6.8) B16(4.4,6.8) B17(5.2,6.8) B18(6,6.8) B19(6.8,6.8) B20(7.6,6.8) C1(-7.6,6) C2(-6.8,6) C3(-6,6) C4(-5.2,6) C5(-4.4,6) C6(-3.6,6) C7(-2.8,6) C8(-2,6) C9(-1.2,6) C10(-0.4,6) C11(0.4,6) C12(1.2,6) C13(2,6) C14(2.8,6) C15(3.6,6) C16(4.4,6) C17(5.2,6) C18(6,6) C19(6.8,6) C20(7.6,6) D1(-7.6,5.2) D2(-6.8,5.2) D3(-6,5.2) D4(-5.2,5.2) D5(-4.4,5.2) D6(-3.6,5.2) D7(-2.8,5.2) D8(-2,5.2) D9(-1.2,5.2) D10(-0.4,5.2) D11(0.4,5.2) D12(1.2,5.2) D13(2,5.2) D14(2.8,5.2) D15(3.6,5.2) D16(4.4,5.2) D17(5.2,5.2) D18(6,5.2) D19(6.8,5.2) D20(7.6,5.2) E1(-7.6,4.4) E2(-6.8,4.4) E3(-6,4.4) E4(-5.2,4.4) E5(-4.4,4.4) E6(-3.6,4.4) E7(-2.8,4.4) E8(-2,4.4) E9(-1.2,4.4) E10(-0.4,4.4) E11(0.4,4.4) E12(1.2,4.4) E13(2,4.4) E14(2.8,4.4) E15(3.6,4.4) E16(4.4,4.4) E17(5.2,4.4) E18(6,4.4) E19(6.8,4.4) E20(7.6,4.4) F1(-7.6,3.6) F2(-6.8,3.6) F3(-6,3.6) F4(-5.2,3.6) F5(-4.4,3.6) F6(-3.6,3.6) F7(-2.8,3.6) F8(-2,3.6) F9(-1.2,3.6) F10(-0.4,3.6) F11(0.4,3.6) F12(1.2,3.6) F13(2,3.6) F14(2.8,3.6) F15(3.6,3.6) F16(4.4,3.6) F17(5.2,3.6) F18(6,3.6) F19(6.8,3.6) F20(7.6,3.6) G1(-7.6,2.8) G2(-6.8,2.8) G3(-6,2.8) G4(-5.2,2.8) G5(-4.4,2.8) G6(-3.6,2.8) G7(-2.8,2.8) G8(-2,2.8) G9(-1.2,2.8) G10(-0.4,2.8) G11(0.4,2.8) G12(1.2,2.8) G13(2,2.8) G14(2.8,2.8) G15(3.6,2.8) G16(4.4,2.8) G17(5.2,2.8) G18(6,2.8) G19(6.8,2.8) G20(7.6,2.8) H1(-7.6,2) H2(-6.8,2) H3(-6,2) H4(-5.2,2) H5(-4.4,2) H6(-3.6,2) H7(-2.8,2) H8(-2,2) H9(-1.2,2) H10(-0.4,2) H11(0.4,2) H12(1.2,2) H13(2,2) H14(2.8,2) H15(3.6,2) H16(4.4,2) H17(5.2,2) H18(6,2) H19(6.8,2) H20(7.6,2) J1(-7.6,1.2) J2(-6.8,1.2) J3(-6,1.2) J4(-5.2,1.2) J5(-4.4,1.2) J6(-3.6,1.2) J7(-2.8,1.2) J8(-2,1.2) J9(-1.2,1.2) J10(-0.4,1.2) J11(0.4,1.2) J12(1.2,1.2) J13(2,1.2) J14(2.8,1.2) J15(3.6,1.2) J16(4.4,1.2) J17(5.2,1.2) J18(6,1.2) J19(6.8,1.2) J20(7.6,1.2) K1(-7.6,0.4) K2(-6.8,0.4) K3(-6,0.4) K4(-5.2,0.4) K5(-4.4,0.4) K6(-3.6,0.4) K7(-2.8,0.4) K8(-2,0.4) K9(-1.2,0.4) K10(-0.4,0.4) K11(0.4,0.4) K12(1.2,0.4) K13(2,0.4) K14(2.8,0.4) K15(3.6,0.4) K16(4.4,0.4) K17(5.2,0.4) K18(6,0.4) K19(6.8,0.4) K20(7.6,0.4) L1(-7.6,-0.4) L2(-6.8,-0.4) L3(-6,-0.4) L4(-5.2,-0.4) L5(-4.4,-0.4) L6(-3.6,-0.4) L7(-2.8,-0.4) L8(-2,-0.4) L9(-1.2,-0.4) L10(-0.4,-0.4) L11(0.4,-0.4) L12(1.2,-0.4) L13(2,-0.4) L14(2.8,-0.4) L15(3.6,-0.4) L16(4.4,-0.4) L17(5.2,-0.4) L18(6,-0.4) L19(6.8,-0.4) L20(7.6,-0.4) M1(-7.6,-1.2) M2(-6.8,-1.2) M3(-6,-1.2) M4(-5.2,-1.2) M5(-4.4,-1.2) M6(-3.6,-1.2) M7(-2.8,-1.2) M8(-2,-1.2) M9(-1.2,-1.2) M10(-0.4,-1.2) M11(0.4,-1.2) M12(1.2,-1.2) M13(2,-1.2) M14(2.8,-1.2) M15(3.6,-1.2) M16(4.4,-1.2) M17(5.2,-1.2) M18(6,-1.2) M19(6.8,-1.2) M20(7.6,-1.2) N1(-7.6,-2) N2(-6.8,-2) N3(-6,-2) N4(-5.2,-2) N5(-4.4,-2) N6(-3.6,-2) N7(-2.8,-2) N8(-2,-2) N9(-1.2,-2) N10(-0.4,-2) N11(0.4,-2) N12(1.2,-2) N13(2,-2) N14(2.8,-2) N15(3.6,-2) N16(4.4,-2) N17(5.2,-2) N18(6,-2) N19(6.8,-2) N20(7.6,-2) P1(-7.6,-2.8) P2(-6.8,-2.8) P3(-6,-2.8) P4(-5.2,-2.8) P5(-4.4,-2.8) P6(-3.6,-2.8) P7(-2.8,-2.8) P8(-2,-2.8) P9(-1.2,-2.8) P10(-0.4,-2.8) P11(0.4,-2.8) P12(1.2,-2.8) P13(2,-2.8) P14(2.8,-2.8) P15(3.6,-2.8) P16(4.4,-2.8) P17(5.2,-2.8) P18(6,-2.8) P19(6.8,-2.8) P20(7.6,-2.8) R1(-7.6,-3.6) R2(-6.8,-3.6) R3(-6,-3.6) R4(-5.2,-3.6) R5(-4.4,-3.6) R16(4.4,-3.6) R17(5.2,-3.6) R18(6,-3.6) R19(6.8,-3.6) R20(7.6,-3.6) T1(-7.6,-4.4) T2(-6.8,-4.4) T3(-6,-4.4) T4(-5.2,-4.4) T5(-4.4,-4.4) T6(-3.6,-4.4) T7(-2.8,-4.4) T8(-2,-4.4) T9(-1.2,-4.4) T10(-0.4,-4.4) T11(0.4,-4.4) T12(1.2,-4.4) T13(2,-4.4) T14(2.8,-4.4) T15(3.6,-4.4) T16(4.4,-4.4) T17(5.2,-4.4) T18(6,-4.4) T19(6.8,-4.4) T20(7.6,-4.4) U1(-7.6,-5.2) U2(-6.8,-5.2) U3(-6,-5.2) U4(-5.2,-5.2) U5(-4.4,-5.2) U6(-3.6,-5.2) U7(-2.8,-5.2) U8(-2,-5.2) U9(-1.2,-5.2) U10(-0.4,-5.2) U11(0.4,-5.2) U12(1.2,-5.2) U13(2,-5.2) U14(2.8,-5.2) U15(3.6,-5.2) U16(4.4,-5.2) U17(5.2,-5.2) U18(6,-5.2) U19(6.8,-5.2) U20(7.6,-5.2) V1(-7.6,-6) V2(-6.8,-6) V3(-6,-6) V4(-5.2,-6) V5(-4.4,-6) V6(-3.6,-6) V7(-2.8,-6) V8(-2,-6) V9(-1.2,-6) V10(-0.4,-6) V11(0.4,-6) V12(1.2,-6) V13(2,-6) V14(2.8,-6) V15(3.6,-6) V16(4.4,-6) V17(5.2,-6) V18(6,-6) V19(6.8,-6) V20(7.6,-6) W1(-7.6,-6.8) W2(-6.8,-6.8) W3(-6,-6.8) W4(-5.2,-6.8) W5(-4.4,-6.8) W6(-3.6,-6.8) W7(-2.8,-6.8) W8(-2,-6.8) W9(-1.2,-6.8) W10(-0.4,-6.8) W11(0.4,-6.8) W12(1.2,-6.8) W13(2,-6.8) W14(2.8,-6.8) W15(3.6,-6.8) W16(4.4,-6.8) W17(5.2,-6.8) W18(6,-6.8) W19(6.8,-6.8) W20(7.6,-6.8) Y2(-6.8,-7.6) Y3(-6,-7.6) Y5(-4.4,-7.6) Y6(-3.6,-7.6) Y7(-2.8,-7.6) Y8(-2,-7.6) Y11(0.4,-7.6) Y12(1.2,-7.6) Y14(2.8,-7.6) Y15(3.6,-7.6) Y16(4.4,-7.6) Y17(5.2,-7.6) Y19(6.8,-7.6)
